# Altium PCB 基于STM32的DDS信号源.PcbDoc
Units mil, origin at the board's own origin, x right, y up, seen from the top; angles counter-clockwise.
Board outline 3937.01 x 2755.91 mil, 2 copper layers (Top Layer, Bottom Layer); 62 components, 55 nets, 263 pads, 39 vias.
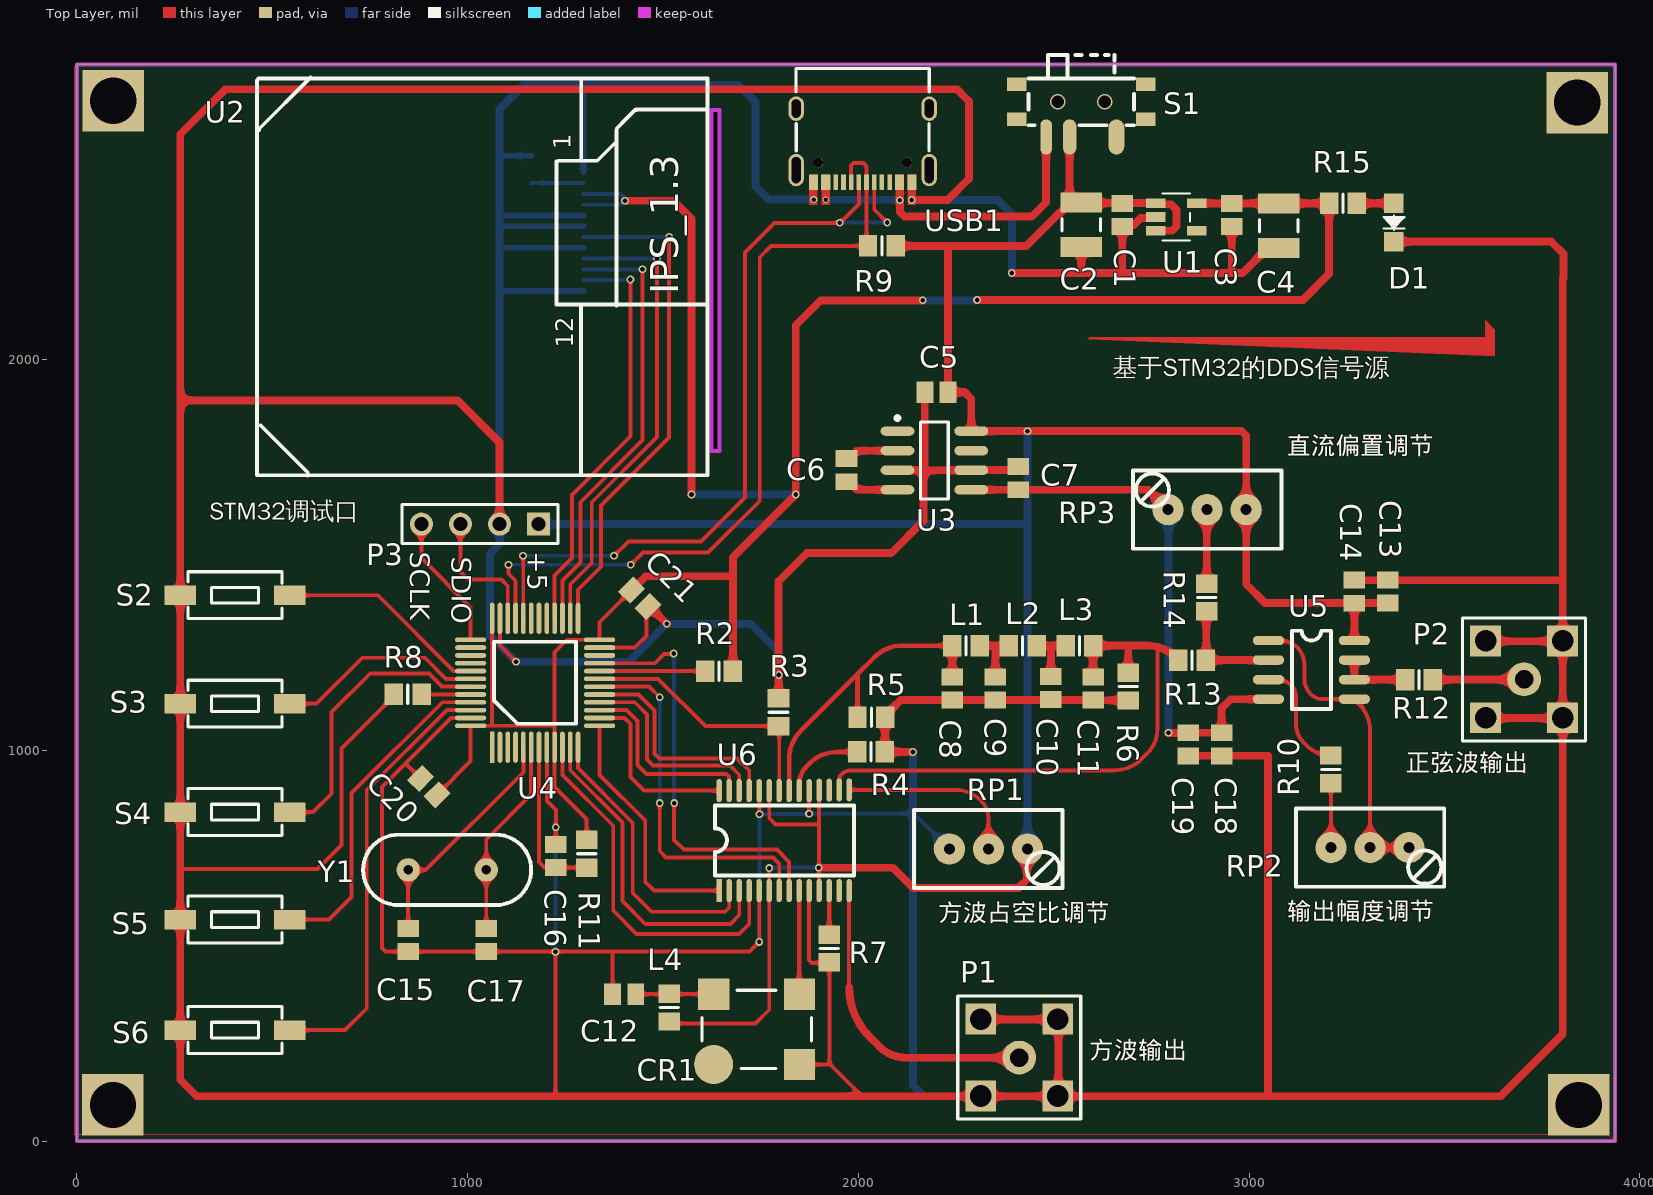
[diagram p0: Top Layer view]
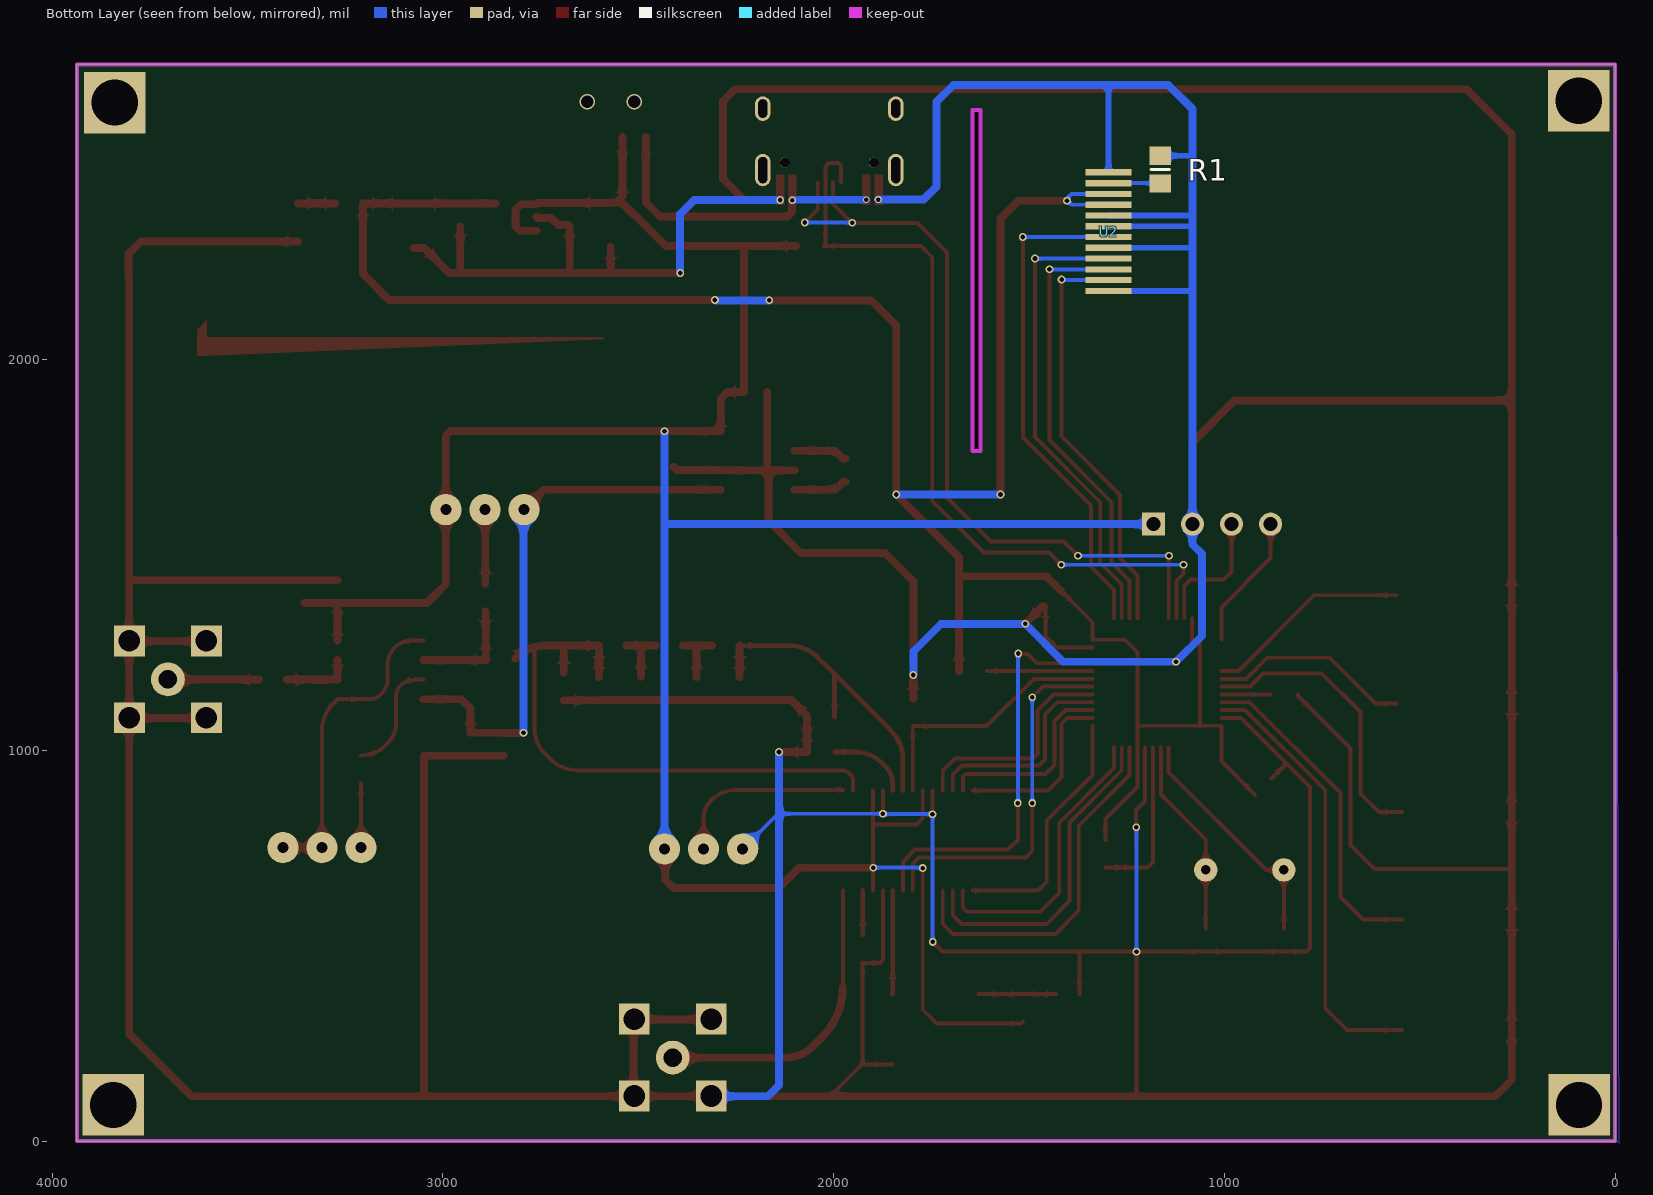
[diagram p1: Bottom Layer view, seen from below]

## Layer stack, top to bottom
Top Solder: solder mask 0.4, Solder Resist, Dk 3.5
Top Layer: signal copper 1.4
Dielectric 1: dielectric 12.6, FR-4, Dk 4.8
Bottom Layer: signal copper 1.4
Bottom Solder: solder mask 0.4, Solder Resist, Dk 3.5

## Board outline
0,0 0,2755.9 3937.01,2755.9 3937.01,0
cut-out: 1625,1766.2 1625,2638.9 1644.77,2638.9 1644.77,1766.2

## Design rules (kind name [scope] priority, off if disabled: settings)
Clearance [(IsRegion) vs OnLayer('Keep-Out Layer')] p1: gap=8 ignorepadtopadclearanceinfootprint=TRUE except(0: Arc-Hole Track-Hole SMDPad-Hole THPad-Hole Via-Hole Fill-Hole Poly-Hole Region-Hole Text-Hole)
Clearance Clearance-pl [(IsRegion)] p2: gap=20 ignorepadtopadclearanceinfootprint=FALSE
Clearance Clearance-all [All] p3: gap=8 ignorepadtopadclearanceinfootprint=FALSE except(0: Arc-Hole Track-Hole SMDPad-Hole THPad-Hole Via-Hole Fill-Hole Poly-Hole Region-Hole Text-Hole; 5: Arc-Arc Arc-Track Arc-SMDPad Track-Track Track-SMDPad SMDPad-SMDPad)
HoleSize Testpoint [(IsPad And (OnTopLayer Or OnBottomLayer))] p2: absolutevalues=TRUE maxlimit=100 minlimit=1 maxpercent=80.000 minpercent=20.000
HoleSize TestPointUsage [All] p3: absolutevalues=TRUE maxlimit=100 minlimit=1 maxpercent=80.000 minpercent=20.000
MinimumSolderMaskSliver SilkscreenOverComponentPads [All] p2: minsoldermaskwidth=10
PolygonConnect [All vs HasFootprint('铝合金腔体35-35')] p1: connectstyle=Direct reliefconductorwidth=10 reliefentries=4 polygonreliefangle="90 Angle" airgapwidth=498
PolygonConnect PolygonConnect_via [IsVia] p2: connectstyle=Direct reliefconductorwidth=10 reliefentries=4 polygonreliefangle="90 Angle" airgapwidth=10
PolygonConnect PolygonConnect_1 [All] p3: connectstyle=Relief reliefconductorwidth=10 reliefentries=4 polygonreliefangle="90 Angle" airgapwidth=10
RoutingVias [All] p1: holewidth=11.81 width=19.68 viastyle="Through Hole" minholewidth=11.81 minwidth=19.68 maxholewidth=11.81 maxwidth=19.68
SolderMaskExpansion [All] p1: expansion=4
Width [All] p1: maxlimit=1000 minlimit=5 preferedwidth=10 toplayer_maxwidth=100 minimp=50.000000 maximp=50.000000 favimp=50.000000
30 further rules are at their usual default settings.

## Components (designator, comment, footprint, x,y, rotation, side; value= is the part's Value field where it differs from the comment)
C1 "Cap" C0805 2675.77,2370.67 r90 top value=104
C2 "Cap Pol1" C1210_N 2570.77,2345.2 r270 top value=22UF
C3 "Cap" C0805 2955.77,2370.67 r90 top value=104
C4 "Cap Pol1" C1210_N 3075.77,2343.11 r270 top value=22UF
C5 "Cap" C0805 2199.77,1917.2 r0 top value=106
C6 "Cap" C0805 1969.77,1717.2 r270 top value=106
C7 "Cap" C0805 2409.77,1696.72 r270 top value=106
C8 "Cap" C0805 2240.77,1158.2 r90 top value=33pF
C9 "Cap" C0805 2350.77,1158.67 r90 top value=22pF
C10 "Cap" C0805 2493,1159.38 r90 top value=22pF
C11 "Cap" C0805 2600.77,1158.2 r90 top value=22pF
C12 "Cap" C0805 1400.77,376.2 r0 top value=104
C13 "Cap" C0805 3354.77,1406.67 r270 top value=106
C14 "Cap" C0805 3269.77,1406.2 r270 top value=104
C15 "Cap" C0805 847.77,514.67 r270 top value=20pF
C16 "Cap" C0805 1225.77,730.2 r270 top value=104
C17 "Cap" C0805 1047.77,514.67 r270 top value=20pF
C18 "Cap" C0805 2929.77,1015.72 r90 top value=104
C19 "Cap" C0805 2844.77,1015.72 r90 top value=106
C20 "Cap" C0805 900.77,907.2 r135 top value=104
C21 "Cap" C0805 1440.77,1389.2 r315 top value=104
CR1 "30MHZ" CRYSTAL-SMT-5X7 1629.77,196.2 r0 top
D1 "LED2" D0805+ 3370.77,2400.2 r270 top
L1 "Inductor" 6-0805_N 2275.77,1268.2 r0 top value=470nH
L2 "Inductor" 6-0805_N 2420.77,1268.2 r0 top value=390nH
L3 "Inductor" 6-0805_N 2566.2,1268.2 r0 top value=390nH
L4 "Inductor" 6-0805_N 1515.77,341.63 r270 top value=磁?
P1 "SMA" SMA-KE 2412,213.9 r0 top (schematic designator P2)
P2 "SMA" SMA-KE 3704,1181.9 r0 top (schematic designator P1)
P3 "Header 4" HDR1X4 1181.77,1579.2 r180 top
R1 "Res2" 6-0805_N 1164,2486.47 r270 bottom value=10
R2 "Res2" 6-0805_N 1643.77,1203.2 r180 top value=10K
R3 "Res2" 6-0805_N 1795.77,1097.63 r90 top value=10k
R4 "Res2" 6-0805_N 2032.21,996.2 r180 top value=25
R5 "Res2" 6-0805_N 2033.34,1085.2 r180 top value=200
R6 "Res2" 6-0805_N 2690.77,1163.2 r90 top value=200
R7 "Res2" 6-0805_N 1925.77,492.76 r90 top value=3.9K
R8 "Res2" 6-0805_N 846.77,1143.2 r180 top value=10K
R9 "Res2" 6-0805_N 2060.2,2291.2 r0 top value=10K
R10 "Res2" 6-0805_N 3209.77,951.63 r270 top value=49.9
R11 "Res2" 6-0805_N 1304.77,735.63 r90 top value=10K
R12 "Res2" 6-0805_N 3435.2,1181.2 r0 top value=49.9
R13 "Res2" 6-0805_N 2854.34,1231.2 r0 top value=49.9
R14 "Res2" 6-0805_N 2891.77,1391.63 r270 top value=49.9
R15 "Res2" 6-0805_N 3240.34,2400.2 r180 top value=10K
RP1 "POT2" VR7 2333,747.9 r0 top value=10k
RP2 "POT2" VR7 3309.77,751.2 r0 top value=1k
RP3 "POT2" VR7 2892.77,1616.2 r180 top value=10k
S1 "SW SPDT" SW-SPDT-7P 2480.77,2570.2 r0 top
S2 "KEY" SW-MINI 284.77,1397.2 r0 top
S3 "KEY" SW-MINI 284.77,1119.7 r0 top
S4 "KEY" SW-MINI 284.77,842.2 r0 top
S5 "KEY" SW-MINI 284.77,567.2 r0 top
S6 "KEY" SW-MINI 284.77,284.2 r0 top
U1 "XC6219B332" SOT23-5L 2760.77,2365.2 r270 top
U2 "1.3寸TFT液晶" 1.3-TFT-TPS 1296.47,2479.72 r0 top
U3 "ICL7660" SO8_N 2194.77,1742.2 r0 top
U4 "STM32F103C8" TQFP-48 1062.77,1008.2 r90 top
U5 "OPA2690" SO-8 3049.77,1281.2 r0 top
U6 "AD9851" TSSOP28 1644,641.29 r90 top
USB1 "TYPE-C" TYPE-C 1840.97,2642.78 r0 top
Y1 "XTAL" XTAL2 947.77,694.2 r180 top

## Footprints (in the part's own frame and the unit in brackets; to place one, negate y for a bottom-side part, rotate by r counter-clockwise, add the part's x,y. Pads: shape width x height; smd on the part's side, far side on the other; paste and mask are expansions set on the pad)
1.3-TFT-TPS [mm]
  rect 3x0.4 smd far side: 1(0,0) 2(0.008,-0.709) 3(0.008,-1.409) 4(0.008,-2.109) 5(0.008,-2.809) 6(0.008,-3.509) 7(0.008,-4.209) 8(0.008,-4.909) 9(0.008,-5.609) 10(0.008,-6.309) 11(0.008,-7.009) 12(0.008,-7.709)
  Keep-Out Layer lines w0.254: 8.339,-18.123 8.339,4.051 8.847,4.051 8.847,-18.123 8.339,-18.123
  silkscreen extent -21.22,-19.72 8.06,6.16
6-0805_N [mm] "Chip Resistor, Body 2.0x1.2mm, IPC Medium Density"
  rect 1.2x1.4 smd: 1(-0.9,0) 2(0.9,0)
  silkscreen extent 0,-0.6 0,0.6, body extent -1.07,-0.7 1.07,0.7, height 0.7
C0805 [mm] "Chip Capacitor, Body 2.0x1.3mm, IPC High Density"
  rect 1.1x1.4 smd: 1(-0.75,0) 2(0.75,0)
  body extent -1.1,-0.72 1.1,0.72, height 1.4
C1210_N [mm] "Chip Capacitor, Body 3.2x2.5mm, IPC Medium Density"
  rect 1.3x2.7 smd: 1(-1.45,0) 2(1.45,0)
  silkscreen extent -0.4,-1.25 0.4,1.25, body extent -1.7,-1.35 1.7,1.35, height 1.5
CRYSTAL-SMT-5X7 [mil]
  round 100 smd: 1(0,0)
  rect 80x80 smd: 4(220,0) 5(220,180) 8(0,180)
  silkscreen extent -30,-10 250,190
D0805+ [mil]
  rect 50x50 smd: A(0,0) K(98,0)
  silkscreen extent 31,-27 68,27
HDR1X4 [mm] "Connector; Header; 4 Position"
  rect 1.5x1.5 hole 0.9: 1(0,0)
  round 1.5 hole 0.9: 2(2.54,0) 3(5.08,0) 4(7.62,0)
  silkscreen extent -1.27,-1.27 8.89,1.27
SMA-KE [mm]
  round 2.2 hole 1.2: 1(0,0)
  rect 2x2 hole 1.4: 2(2.5,2.5) 3(2.5,-2.5) 4(-2.5,-2.5) 5(-2.5,2.5)
  silkscreen extent -4,-4 4,4
SO8_N [mm] "SOIC, 8-Leads, Body 4.9x3.9mm, Pitch 1.27mm, IPC Medium Density"
  oval 2.2x0.6 smd: 1(-2.4,1.905) 2(-2.4,0.635) 3(-2.4,-0.635) 4(-2.4,-1.905) 5(2.4,-1.905) 6(2.4,-0.635) 7(2.4,0.635) 8(2.4,1.905)
  silkscreen extent -2.52,-2.5 0.9,2.88, body extent -2,-2.5 2,2.5, height 1.75
SO-8 [mil]
  oval 80x24 smd: 1(0,0) 2(0,-50) 3(0,-100) 4(0,-150) 5(220,-150) 6(220,-100) 7(220,-50) 8(220,0)
  silkscreen extent 60,-175 160,25
SOT23-5L [mil]
  rect 25x50 smd: 1(-35,0) 2(0,0) 3(35,0) 4(35,105) 5(-35,105)
  silkscreen extent -60,18 60,88
SW-MINI [mil]
  rect 80x50 smd: 1(-20,0) 2(260,0)
  silkscreen extent 0,-60 240,60
SW-SPDT-7P [mil]
  oval 30x90 smd: 1(0,0)
  oval 35x90 smd: 2(60,0)
  oval 40x90 smd: 3(180,0)
  rect 50x35 smd: 4(255,45) 5(255,135) 6(-75,135) 7(-75,45)
  silkscreen extent -45,30 225,210
TQFP-48 [mil]
  rect 80x12 smd: 1(0,0)
  oval 80x12 smd: 2(0,-20) 3(0,-40) 4(0,-60) 5(0,-80) 6(0,-100) 7(0,-120) 8(0,-140) 9(0,-160) 10(0,-180) 11(0,-200) 12(0,-220) 25(330,-220) 26(330,-200) 27(330,-180) 28(330,-160) 29(330,-140) 30(330,-120) 31(330,-100) 32(330,-80) 33(330,-60) 34(330,-40) 35(330,-20) 36(330,0)
  oval 12x80 smd: 13(55,-275) 14(75,-275) 15(95,-275) 16(115,-275) 17(135,-275) 18(155,-275) 19(175,-275) 20(195,-275) 21(215,-275) 22(235,-275) 23(255,-275) 24(275,-275) 37(275,55) 38(255,55) 39(235,55) 40(215,55) 41(195,55) 42(175,55) 43(155,55) 44(135,55) 45(115,55) 46(95,55) 47(75,55) 48(55,55)
  silkscreen extent 60,-215 270,-5
TSSOP28 [mm]
  rect 1.5x0.35 smd: 1(0,0)
  oval 1.5x0.35 smd: 2(0,-0.65) 3(0,-1.3) 4(0,-1.95) 5(0,-2.6) 6(0,-3.25) 7(0,-3.9) 8(0,-4.55) 9(0,-5.2) 10(0,-5.85) 11(0,-6.5) 12(0,-7.15) 13(0,-7.8) 14(0,-8.45) 15(6.55,-8.45) 16(6.55,-7.8) 17(6.525,-7.15) 18(6.525,-6.5) 19(6.5,-5.85) 20(6.5,-5.2) 21(6.5,-4.55) 22(6.5,-3.9) 23(6.5,-3.25) 24(6.5,-2.6) 25(6.5,-1.95) 26(6.5,-1.3) 27(6.5,-0.65) 28(6.5,0)
  silkscreen extent 0.98,-8.76 5.53,0.28
TYPE-C [mm]
  round 0.65 hole 0.65: 0(1.435,-3.5) 0(7.215,-3.5)
  oval 1x1.6 hole 0.6 slot 1.2 at 90 deg: 1(0,0) 2(8.65,0)
  oval 1x2.1 hole 0.6 slot 1.7 at 90 deg: 3(8.65,-4) 4(0,-4)
  rect 0.3x1 smd: A1(7.675,-4.79) A4(6.875,-4.79) A5(5.575,-4.79) A6(4.575,-4.79) A7(4.075,-4.79) A8(3.075,-4.79) A9(1.775,-4.79) A12(0.975,-4.79) B1(1.275,-4.79) B4(2.075,-4.79) B5(2.575,-4.79) B6(3.575,-4.79) B7(5.075,-4.79) B8(6.075,-4.79) B9(6.575,-4.79) B12(7.375,-4.79)
  silkscreen extent 0,-2.74 8.65,2.6
VR7 [mil]
  round 80 hole 28: 1(-100,0) 2(100,0) 3(0,0)
  silkscreen extent -190,-100 190,100
XTAL2 [mil]
  round 60 hole 24: 1(-100,0) 2(100,0)
  silkscreen extent -215,-90 215,90

## Part data
C1 C3 C5 C6 C7 C8 C9 C10 C11 C12 C13 C14 C15 C16 C17 C18 C19 C20 C21: "Capacitor", LatestRevisionDate=17-Jul-2002, LatestRevisionNote="Re-released for DXP Platform.", PackageDescription="Radial Cap, Thru-Hole; 2 Leads; 0.3 in Pin Spacing", PackageReference=RAD-0.3, Published=8-Jun-2000, Publisher="Altium Limited"
C2 C4: "Polarized Capacitor (Radial)", LatestRevisionDate=17-Jul-2002, LatestRevisionNote="Re-released for DXP Platform.", PackageDescription="Polarized Capacitor (Radial); 2 Leads", PackageReference=RB7.6-15, Published=8-Jun-2000, Publisher="Altium Limited"
D1: "Typical RED, GREEN, YELLOW, AMBER GaAs LED", LatestRevisionDate=17-Jul-2002, LatestRevisionNote="Re-released for DXP Platform.", PackageDescription="SM LED; 2 Flat Leads", PackageReference=3.2X1.6X1.1, PackageVersion=Feb-2002, Published=8-Jun-2000, Publisher="Altium Limited"
P3: "Header, 4-Pin", LatestRevisionDate=17-Jul-2002, LatestRevisionNote="Re-released for DXP Platform.", Publisher="Altium Limited"
R1 R2 R3 R4 R5 R6 R7 R8 R9 R10 R11 R12 R13 R14 R15: "Resistor", LatestRevisionDate=17-Jul-2002, LatestRevisionNote="Re-released for DXP Platform.", PackageDescription="Axial Device, Thru-Hole; 2 Leads; 0.4 in Pin Spacing", PackageReference=AXIAL-0.4, Published=8-Jun-2000, Publisher="Altium Limited"
RP1 RP2 RP3: "Potentiometer"
S2 S3 S4 S5 S6: library part SW-PB, "Switch", LatestRevisionDate=17-Jul-2002, LatestRevisionNote="Re-released for DXP Platform.", PackageDescription="Switch; 2 Leads", PackageReference=SPST-2, Published=24-Mar-1999, Publisher="Altium Limited"
U1: library part XC6219
U4: "Flaah:64/RAM:20/IO:36", BOM名称=32, 学习资源=ww
Y1: "Crystal Oscillator", LatestRevisionDate=17-Jul-2002, LatestRevisionNote="Re-released for DXP Platform.", PackageDescription="Crystal, Thru-Hole; 2 Leads; Body 3.1 x 8.2 mm (Dia.xH)", PackageReference=R38, Published=8-Jun-2000, Publisher="Altium Limited"
L1 L2 L3 L4: Code_IEC=1005, Code_JEITA=0402, LatestRevisionDate=29-May-2009, LatestRevisionNote="IPC-7351 Footprint Added.", PackageDescription="Chip Inductor", PackageReference=0402-A, Published=8-Jun-2000, Publisher="Altium Limited"

## Free pads (board coordinates)
  rect 157.48x157.48 hole 118.11: 1(92,92.9) 2(3844,92.9) 3(3840,2657.9) 4(93,2662.9)

## Via types
v1: diameter 19.68, hole 11.81, Top Layer to Bottom Layer, 35 vias
v2: diameter 39.37, hole 31.5, Top Layer to Bottom Layer, 2 vias
v3: diameter 16, hole 11.81, Top Layer to Bottom Layer, 1 vias
v4: diameter 18/18 (per signal layer), hole 11.81, Top Layer to Bottom Layer, 1 vias

## Nets (pads, with @x,y where several pads share a name; then routed paths per layer and width w, separated by ;. In a path a pad name is that pad's centre, name@x,y a point inside that pad or via, vN(x,y) a via of type N, cw(c..) or ccw(c..) an arc to the next point about the centre after c; other vN are vias at no path point)
+5: C1.2 C2.1 C5.2 C13.2 C14.2 L4.2 P3.1 R9.2 RP1.2 RP3.1 S1.2 U1.1 U1.3 U3.8 U5.8 U6.6 U6.11 U6.18 U6.23 | length 7327.8
  Top Layer w10: L4.2 1520.77,301.2 1736.77,301.2 1771.95,336.38 U6.6 v1(1772,698.9) v1(1772,698.9) ; U6.23 1771.95,826.95 1788,810.9 1898.45,810.9 1899.45,811.9 ; U6.11 1899.45,641.74 1899.45,699.45 v1(1899,699.9) 1899.45,700.36 1899.45,811.9 ; U6.18 1899.45,897.73 1899.45,811.9
  Top Layer w20: v1(1899,699.9) 2089,699.9 2141,647.9 2410,647.9 2431,668.9 2431,745.9 RP1.2 ; R9.2 2224.77,2291.2 ; S1.2 2540.77,2417.87 2549.79,2408.86 C2.1@2556.36,2402.28 ; U1.3 2803.06,2330.2 2814.77,2341.91 2814.77,2383.2 2800.27,2397.7 2763.27,2397.7 U1.1 2759.73,2401.24 2675.77,2401.24 2571.81,2401.24 C2.1 C2.1@2556.36,2402.28 ; U5.8 3269.77,1376 C14.2@3270.91,1377.14 ; C13.2 C14.2@3270.91,1377.14 ; 2224.77,2291.2 2429.77,2291.2 2512.77,2374.2 2515.13,2374.2 2543.21,2402.28 C2.1@2556.36,2402.28 ; 2224.77,2291.2 2229.3,2286.67 C5.2 2271.77,1917.2 2289.26,1899.71 U3.8 2981.06,1817.2 2992.77,1805.48 2992.77,1425.13 3040.76,1377.14 C14.2@3270.91,1377.14
  Bottom Layer w10: v1(1772,698.9) 1773,699.9 v1(1899,699.9)
  Bottom Layer w20: P3.1 2432.71,1579.2 2433,1578.9 ; RP1.2 2433,1578.9 ; v1(2433,1816.9) 2433,1578.9
+5VIN: S1.1 USB1.A4 USB1.A9 USB1.B4 USB1.B9 | length 792.9
  Top Layer w10: USB1.A9 USB1.B4
  Top Layer w20: v1(2105.77,2408.2) 2106.77,2407.2 2106.77,2378.2 2118.77,2366.2 2443.77,2366.2 2480.77,2403.2 S1.1
  Bottom Layer w20: v3(1916.77,2409.2) 2104.77,2409.2 v1(2105.77,2408.2)
-5: C7.2 C18.2 C19.2 RP3.2 U3.5 U5.4 | length 1424.5
  Top Layer w20: U3.5 C7.2 2741.77,1667.2 RP3.2 ; v1(2794,1044.9) 2844.42,1044.9 C19.2 C18.2 2929.77,1107.68 2953.29,1131.2 U5.4
  Bottom Layer w20: RP3.2 2794,1614.97 v1(2794,1044.9)
AD9851-D0: U4.10 U6.4 | length 940.6
  Top Layer w10: U4.10 1242.77,937.2 1372.77,807.2 1372.77,590.2 1432.77,530.2 1694.77,530.2 1720.77,556.2 U6.4
AD9851-D1: U4.11 U6.3 | length 843.9
  Top Layer w10: U4.11 1262.77,949.2 1396.77,815.2 1396.77,614.2 1454.77,556.2 1672.77,556.2 1695.18,578.61 U6.3
AD9851-D2: U4.12 U6.2 | length 745.4
  Top Layer w10: U4.12 1282.77,954.65 1422.77,814.65 1422.77,635.2 1470.77,587.2 1658.77,587.2 1669.59,598.02 U6.2
AD9851-D3: U4.13 U6.1 | length 646.8
  Top Layer w10: U4.13 1337.77,937.2 1454.77,820.2 1454.77,663.2 1476.68,641.29 U6.1
AD9851-D4: U4.14 U6.28 | length 462.9
  Top Layer w10: U4.14 1401.77,1083.2 1416.77,1068.2 1416.77,932.2 1451.77,897.2 U6.28
AD9851-D5: U4.15 U6.27 | length 503.4
  Top Layer w10: U4.15 1407.23,1103.2 1434.77,1075.65 1434.77,963.2 1458.24,939.72 1661.91,939.72 1668.87,932.77 1668.87,897.92 U6.27
AD9851-D6: U4.16 U6.26 | length 542.2
  Top Layer w10: U4.16 1427.77,1123.2 1458.77,1092.2 1458.77,977.2 1474.77,961.2 1671.77,961.2 1695.18,937.79 U6.26
AD9851-D7: U4.17 U6.25 | length 579.8
  Top Layer w10: U4.17 1437.77,1143.2 1478.77,1102.2 1478.77,991.2 1490.77,979.2 1689.77,979.2 1720.77,948.2 U6.25
D/C: U2.7 U4.25 | length 1291.6
  Top Layer w10: U4.25 1282.77,1411.2 1341.77,1470.2 1341.77,1627.2 1515.77,1801.2 v1(1515.77,2314.2)
  Bottom Layer w10: U2.7 1296.87,2314.09 1515.67,2314.09 v1(1515.77,2314.2)
D\D\S\R\S\T\: R3.1 U4.19 U6.22 | length 673.9
  Top Layer w10: U4.19 1487.77,1183.2 1608.77,1062.2 R3.1 1797.54,1060.42 U6.22
DDSFQUP: U4.21 U6.8 | length 1069
  Top Layer w10: U4.21 1480,1223.2 1503.15,1246.34 1525.92,1246.34 v1(1527.77,1248.2) ; v1(1528.77,865.2) 1528.77,771.2 1553.77,746.2 1791.77,746.2 1823.13,714.83 U6.8
  Bottom Layer w10: v1(1527.77,1248.2) 1527.77,866.2 v1(1528.77,865.2)
DDSWCLK: U4.18 U6.7 | length 947.2
  Top Layer w10: U4.18 1464.77,1163.2 v1(1491.77,1136.2) ; v1(1491.77,865.2) 1491.77,742.13 1508,725.9 1782,725.9 1797.54,710.36 U6.7
  Bottom Layer w10: v1(1491.77,865.2) v1(1491.77,1136.2)
FOUT: C11.2 L3.2 R6.2 R13.1 U6.16 | length 1498.7
  Top Layer w10: U6.16 1951.09,924.63 cw(c1971.28,924.63) 1957,938.9 cw(c1981.14,914.76) 1981.14,948.9 2654.58,948.9 ccw(c2654.58,1048.9) 2725.29,978.19 2740,992.9 ccw(c2677.73,1055.18) 2765.79,1055.18 2765.79,1264.94 ; 2689.77,1268.2 cw(c2687.36,1265.78) 2690.77,1265.78 ; R13.1@2815.05,1235.05 R13.1
  Top Layer w20: C11.2 2600.77,1266.11 cw(c2603.73,1266.11) L3.2 2689.77,1268.2 2740.48,1268.2 cw(c2740.48,1168.2) 2765.79,1264.94 cw(c2740.48,1168.2) 2811.2,1238.91 R13.1@2815.05,1235.05 ; R6.2 2690.77,1265.78
GND: C1.1 C2.2 C3.1 C4.2 C5.1 C7.1 C8.1 C9.1 C10.1 C11.1 C12.1 C13.1 C14.1 C15.2 C16.1 C17.2 C18.1 C19.1 C20.2 C21.2 CR1.4 D1.K P1.2 P1.3 P1.4 P1.5 P2.2 P2.3 P2.4 P2.5 P3.2 R1.1 R3.2 R4.1 R5.1 R6.1 R7.1 R8.2 RP1.1 S2.1 S3.1 S4.1 S5.1 S6.1 U1.2 U2.1 U2.5 U2.6 U2.8 U2.12 U3.3 U3.6 U4.8 U4.23 U4.35 U4.47 U6.5 U6.10 U6.19 U6.24 USB1.A1 USB1.A12 USB1.B1 USB1.B12 | length 29555.2
  Top Layer w10: 265,696.9 616,696.9 677,757.9 677,1004.92 811.34,1139.26 R8.2 ; C20.2 842.24,965.73 842.24,967.66 ; U4.47 957.77,1083.2 842.24,967.66 ; U4.35 1082.77,1268.13 v1(1124,1226.9) ; U4.8 1202.77,870.2 1225.77,847.2 v1(1225.77,803.46) C16.1 ; 1225,114.77 v1(1225,484.9) ; U4.23 1427.77,1263.2 1457.48,1292.9 1457.48,1364.14 C21.2 ; C12.1 1371.24,484.38 1372,485.14 ; U6.5 v1(1746.36,509.9) 1721.6,485.14 1372,485.14 ; U6.24 1746.68,896.88 1746.68,837.22 v1(1747,836.9) ; CR1.4 1923.84,196.2 1925.77,198.13 ; v1(1874,837.9) 1874.32,838.22 U6.19 ; U6.10 1874.32,463.65 1881.77,456.2 1924.64,456.2 R7.1 1925.77,198.13 ; USB1.A12 USB1.B1 ; 2009.13,114.77 1925.77,198.13 ; 842.24,967.66 781,906.42 781,493.9 789.76,485.14 C15.2 C17.2 1372,485.14
  Top Layer w20: P3.2 1081.77,1788.13 974,1895.9 264.77,1895.9 ; C21.2 1465.59,1368.32 v1(1510,1323.9) ; R3.2 1796,1133.29 v1(1796,1192.9) 1796,1432.9 1868,1504.9 2084,1504.9 2166.77,1587.68 2166.77,1717.2 ; v4@1884,2408.9 1885,2409.9 v4(1886,2409.9) ; U3.3 2166.77,1717.2 ; v1(2137,2408.9) 2229,2408.9 2283,2462.9 2283,2661.9 2252.63,2692.28 380.37,2692.28 264.77,2576.68 264.77,1895.9 ; v1(2140,995.9) 2139.71,996.2 R4.1 2068.2,996.76 2068.2,1084.63 R5.1 2068.77,1089.13 2108.31,1128.67 C8.1 C11.1 2601.22,1128.22 2690.32,1128.22 R6.1 ; C5.1 2170.24,1720.67 2166.77,1717.2 ; P1.5@2315.35,311.62 2512.2,311.62 P1.3@2512.2,114.77 ; v1(2393,2221.9) 2573,2221.9 ; C7.1 2401.41,1717.89 2289.95,1717.89 U3.6 2166.77,1717.2 ; C2.2 2570.77,2224.13 2573,2221.9 ; U1.2 2758.27,2362.7 2722.79,2362.7 2705,2344.9 2679.54,2344.9 C1.1 2675.77,2224.18 2673.5,2221.9 ; C19.1 C18.1 3048.91,986.2 3048.91,116.68 3047,114.77 ; C3.1 2955.77,2223.68 2954,2221.9 ; C4.2 3048.21,2286.02 2984.1,2221.9 2954,2221.9 ; C14.1 3800.02,1435.72 3803.2,1438.9 ; D1.K 3773.71,2302.2 3805,2270.9 3805,2209.71 3803.2,2207.9 3803.2,1438.9 ; P2.4@3606.35,1082.77 P2.3@3803.2,1082.77 ; P2.5@3606.35,1279.62 P2.2@3803.2,1279.62 ; 264.77,1895.9 S2.1 S3.1 S4.1 S5.1 S6.1 264.77,157.13 307.13,114.77 1225,114.77 2009.13,114.77 2315.35,114.77 P1.3@2512.2,114.77 ; P1.3@2512.2,114.77 3047,114.77 ; 2573,2221.9 2673.5,2221.9 ; 2673.5,2221.9 2954,2221.9 ; 3047,114.77 3643.87,114.77 3803.2,274.1 P2.3@3803.2,1082.77 ; P2.3@3803.2,1082.77 P2.2@3803.2,1279.62 ; P2.2@3803.2,1279.62 3803.2,1438.9
  Bottom Layer w10: 1081.77,2515.9 1087.77,2521.9 ; v1(1225,484.9) 1225,802.69 v1(1225.77,803.46) ; v1(1746.36,509.9) 1746.68,510.22 1746.68,836.59 v1(1747,836.9) 1873,836.9 v1(1874,837.9) 2140,837.9 2143,837.9 RP1.1
  Bottom Layer w15: 1081.77,2174.9 1083.06,2176.2 U2.12 ; 1081.77,2287.9 1083.24,2286.43 U2.8 ; 1081.77,2338.9 1084.42,2341.55 U2.6 ; 1081.77,2369.9 1082.57,2369.11 U2.5 ; 1087.77,2521.9 R1.1 ; U2.1 1296.47,2691.38
  Bottom Layer w20: 1296.47,2691.38 1308,2702.9 ; v1(1796,1192.9) 1796,1252.9 1725,1323.9 v1(1510,1323.9) 1413,1226.9 v1(1124,1226.9) 1057,1293.9 1057,1502.9 1082,1527.9 1082,1578.97 P3.2 1081.77,2174.9 1081.77,2287.9 1081.77,2338.9 1081.77,2369.9 1081.77,2515.9 1081.77,2641.68 1143,2702.9 1308,2702.9 ; v4(1886,2409.9) 1770,2409.9 1737,2442.9 1737,2659.9 1694,2702.9 1308,2702.9 ; v1(2137,2408.9) 2357,2408.9 2393,2372.9 v1(2393,2221.9) ; v1(2140,995.9) 2140,837.9 2140,142.9 2168.13,114.77 P1.4@2315.35,114.77
IOUTA: C8.2 L1.1 R5.2 U6.21 | length 824.8
  Top Layer w12: U6.21 1823.13,979.14 cw(c1923.13,979.14) 1852.42,1049.85 1997.27,1194.7 ; R5.2 1997.91,1193.17 ccw(c1995.74,1193.17) 1997.27,1194.7 ; L1.1 2112.19,1268.2 ccw(c2112.19,1168.2) 2041.48,1238.91 1997.27,1194.7
  Top Layer w20: L1.1 cw(c2239.3,1267.15) 2240.77,1267.15 C8.2
IOUTB: R4.2 U6.20 | length 207.3
  Top Layer w12: U6.20 1848.72,914.62 cw(c1910.34,914.62) 1866.77,958.2 1875.48,966.91 cw(c1946.19,896.2) 1946.19,996.2 R4.2
KEY1: S2.2 U4.41 | length 529.4
  Top Layer w10: S2.2@558.77,1397.2 770.77,1397.2 964.39,1203.58 1007.39,1203.58 U4.41
KEY2: S3.2 U4.42 | length 520
  Top Layer w10: S3.2@558.77,1119.7 613.27,1119.7 730.77,1237.2 890.77,1237.2 944.77,1183.2 U4.42
KEY3: S4.2 U4.43 | length 746.6
  Top Layer w10: S4.2 604.77,842.2 651.77,889.2 651.77,1098.2 750.77,1197.2 900.77,1197.2 934.77,1163.2 U4.43
KEY4: S5.2 U4.45 | length 849.1
  Top Layer w10: S5.2 645.29,567.2 703,624.9 703,890.9 935.29,1123.2 U4.45
KEY5: S6.2 U4.46 | length 1129.4
  Top Layer w10: S6.2 686.29,284.2 742,339.9 742,898.42 946.77,1103.2 U4.46
NetC6_1: C6.1 U3.2 | length 139
  Top Layer w20: C6.1 1975.68,1746.72 1996.15,1767.2 U3.2
NetC6_2: C6.2 U3.4 | length 139
  Top Layer w20: C6.2 1975.68,1687.67 1996.15,1667.2 U3.4
NetC9_2: C9.2 L1.2 L2.1 | length 154.8
  Top Layer w20: L1.2 2348.27,1268.2 ; C9.2 2350.77,1262.16 ccw(c2342.24,1262.16) 2348.27,1268.2 ; L2.1 2348.27,1268.2
NetC10_2: C10.2 L2.2 L3.1 | length 154
  Top Layer w20: L2.2 2493.49,1268.2 ; C10.2 2493,1267.02 cw(c2494.67,1267.02) 2493.49,1268.2 ; L3.1 2493.49,1268.2
NetC12_2: C12.2 CR1.8 L4.1 | length 199.5
  Top Layer w10: C12.2 CR1.8
NetD1_A: D1.A R15.1 | length 95
  Top Layer w20: R15.1 D1.A
NetP2_1: P1.1 U6.14 | length 791
  Top Layer w10: 1976.68,393.66 U6.14
  Top Layer w20: 1976.68,393.66 ccw(c2156.37,393.66) 2029.31,266.6 2053.42,242.49 ccw(c2124.13,313.2) 2124.13,213.2 P1.1@2413.77,213.2
NetP3_1: P2.1 R12.2 | length 234.1
  Top Layer w20: R12.2 P2.1@3704.77,1181.2
NetR1_2: R1.2 U2.2 | length 133.1
  Bottom Layer w10: R1.2 1164.75,2451.79 U2.2
NetR2_2: R2.2 U4.20 | length 270.6
  Top Layer w10: U4.20 R2.2
NetR7_2: R7.2 U6.12 | length 113.2
  Top Layer w12: U6.12 1925.5,528.47 R7.2
NetR8_1: R8.1 U4.44 | length 125.6
  Top Layer w10: R8.1 U4.44
NetR10_1: R10.1 U5.3 | length 297
  Top Layer w10: U5.3 3071.14,1181.2 cw(c3071.14,1126.57) 3109.77,1165.2 cw(c3085.63,1141.05) 3119.77,1141.05 3119.77,1070.15 ccw(c3192.25,1070.15) 3141,1018.9 3146.73,1013.18 ccw(c3209.77,1076.22) R10.1
NetR10_2: R10.2 RP2.1 | length 165
  Top Layer w10: RP2.1 R10.2
NetR12_1: R12.1 U5.6 U5.7 | length 180
  Top Layer w10: U5.6 3269.77,1194.9
  Top Layer w20: U5.6 R12.1 ; 3269.77,1194.9 U5.7
NetR13_2: R13.2 R14.2 U5.2 | length 285.8
  Top Layer w20: R14.2 2890.77,1355.2 2890.77,1232.2 R13.2 U5.2
NetR14_1: R14.1 RP3.3 | length 189.4
  Top Layer w20: R14.1 2891.77,1613.78 cw(c2895.19,1613.78) RP3.3
NetRP1_3: RP1.3 U6.15 | length 473.7
  Top Layer w10: U6.15 2248.18,899.17 cw(c2248.18,806.09) 2314,871.9 cw(c2268.13,826.03) 2333,826.03 RP1.3
NetRP2_2: RP2.2 RP2.3 U5.1 U5.5 | length 814.6
  Top Layer w10: U5.1 3080.32,1281.2 cw(c3080.32,1219.74) 3123.77,1263.2 cw(c3080.32,1219.74) 3141.77,1219.74 3141.77,1182.82 ccw(c3196.4,1182.82) 3157.77,1144.2 ccw(c3189.16,1175.58) 3189.16,1131.2 U5.5 3280.48,1120.49 cw(c3209.77,1049.77) 3309.77,1049.77 RP2.3 RP2.2
NRST: C16.2 R11.1 U4.7 | length 421.8
  Top Layer w10: U4.7 1182.77,714.2 1196.77,700.2 R11.1
OSC-IN: C15.1 U4.5 Y1.2 | length 612.6
  Top Layer w10: C15.1 Y1.2 892.77,694.2 1142.77,944.2 U4.5
OSC-OUT: C17.1 U4.6 Y1.1 | length 511.6
  Top Layer w10: C17.1 Y1.1 1047.77,772.2 1162.77,887.2 U4.6
R\E\S\: U2.11 U4.28 | length 1068
  Top Layer w10: U4.28 1222.77,1448.2 1266.77,1492.2 1266.77,1654.2 1416.77,1804.2 v1(1416.77,2205.2)
  Bottom Layer w10: U2.11 1415.33,2203.76 v1(1416.77,2205.2)
SCL: U2.9 U4.26 | length 1201.1
  Top Layer w10: U4.26 1262.77,1425.16 1317.77,1480.16 1317.77,1635.2 1484.77,1802.2 v1(1484.77,2259.2)
  Bottom Layer w10: U2.9 1484.45,2258.87 v1(1484.77,2259.2)
SCLK: P3.4 U4.37 | length 348.2
  Top Layer w10: P3.4 881.77,1492.2 1007.77,1366.2 U4.37
SDA: U2.10 U4.27 | length 1129
  Top Layer w10: U4.27 1242.77,1435.2 1288.77,1481.2 1288.77,1635.2 1447.77,1794.2 v1(1447.77,2231.2)
  Bottom Layer w10: U2.10 1447.65,2231.31 v1(1447.77,2231.2)
SDIO: P3.3 U4.34 | length 340.9
  Top Layer w10: P3.3 981.77,1457.2 1001.77,1437.2 1086.77,1437.2 1102.77,1421.2 U4.34
SYSCLK: CR1.5 U6.9 | length 265.4
  Top Layer w12: U6.9 1848.72,378.73 ccw(c1852.3,378.73) CR1.5
USB-D-N: U4.32 USB1.A7 USB1.B7 | length 2053.8
  Top Layer w10: v1(1141.77,1498.2) 1142.39,1497.58 1142.39,1338.58 U4.32 ; v1(1374.77,1498.2) 1411.77,1535.2 1597.77,1535.2 1709.77,1647.2 1709.77,2274.2 1785.77,2350.2 v1(1952.77,2350.2) 2001.4,2398.83 USB1.A7 ; USB1.B7 2040.77,2384.2 v1(2073.77,2351.2)
  Bottom Layer w10: v1(1141.77,1498.2) v1(1374.77,1498.2) ; v1(1952.77,2350.2) 1953.77,2351.2 v1(2073.77,2351.2)
USB-D-P: R9.1 U4.33 USB1.A6 USB1.B6 | length 2061.5
  Top Layer w10: v1(1104.77,1475.2) 1104.77,1452.2 1122.77,1434.2 U4.33 ; v1(1417.77,1475.2) 1448.77,1506.2 1615.77,1506.2 1747.77,1638.2 1747.77,2262.2 1776.77,2291.2 R9.1 2021.09,2294.88 USB1.A6 2021.09,2494.88 2012.77,2503.2 1987.77,2503.2 1981.72,2497.14 USB1.B6
  Bottom Layer w10: v1(1104.77,1475.2) v1(1417.77,1475.2)
VCC: C3.2 C4.1 C20.1 C21.1 R2.1 R11.2 R15.2 U1.5 U2.3 U2.4 U4.9 U4.24 U4.36 U4.48 | length 6062.3
  Top Layer w10: C20.1 1007.77,972.44 U4.48 1062.77,1063.2 ; U4.36 1062.77,1063.2 ; R11.2 1304.77,824.2 1222.77,906.2 U4.9 1222.77,1061.2 ; C21.1 1337.77,1327.95 U4.24 1254.77,1283.2 1222.77,1251.2 1222.77,1061.2 ; 1062.77,1063.2 1220.77,1063.2 1222.77,1061.2
  Top Layer w20: v1(1403,2406.9) 1527,2406.9 1573,2360.9 v1(1573,1654.9) ; C21.1 1455.72,1445.9 1675.2,1445.9 1679.2,1449.9 ; R2.1 1679.2,1449.9 ; v1(2165,2151.9) 1904,2151.9 1840,2087.9 v1(1840,1654.9) 1679.2,1494.11 1679.2,1449.9 ; v1(2304,2152.9) 3138,2152.9 3204.91,2219.81 R15.2 C4.1 C3.2 U1.5
  Bottom Layer w10: U2.4 1390.14,2396.67 1400.38,2406.9 v1(1403,2406.9) 1403,2412.9 1391.68,2424.23 U2.3
  Bottom Layer w20: v1(1573,1654.9) v1(1840,1654.9) ; v1(2165,2151.9) 2303,2151.9 v1(2304,2152.9)
pads on no net: CR1.1 S1.3 S1.4 S1.5 S1.6 S1.7 U1.4 U3.1 U3.7 U4.1 U4.2 U4.3 U4.4 U4.22 U4.29 U4.30 U4.31 U4.38 U4.39 U4.40 U6.13 U6.17 USB1.0 USB1.1 USB1.2 USB1.3 USB1.4 USB1.A5 USB1.A8 USB1.B5 USB1.B8
copper on no net:
  other v2: 2510.77,2660.2 2630.77,2660.2

## Polygon pours and split planes (outlines as drawn)
GND on Top Layer "GND_L01_P004" (solid, pour order 4): 0,2755.9 -7,2748.9 -7,17 3920.01,17 3937.01,0 3937.01,2755.9
no net on Top Layer "Top Layer-No Net" (solid, pour order 0): 2126,2473.9
GND on Bottom Layer "GND_L02_P006" (solid, pour order 6): 0,2755.9 3937.01,2755.9 3937.01,0 -6,0 -10,-4

## Keep-outs
Keep-Out Layer:
  the board outline again, w10

## Other copper
Top Layer:
  rectangle net GND: 1874,2395.9 1896,2473.9
  rectangle net GND: 2126,2395.9 2148,2473.9
  rectangle net +5VIN: 2094.77,2395.2 2116.77,2474.2
  rectangle net +5VIN: 1906,2396.2 1928,2474.2
  region: 2587,2053 2592,2058 3604,2058 3604,2102 3629,2077 3629,2009

## Silkscreen, mask and mechanical layers (free items; w line width, h text height)
Top Overlay:
  text "基于STM32的DDS信号源" at 2651,1941.9 h80
  text "直流偏置调节" at 3097,1743 h78.74
  text "STM32调试口" at 339,1575 h78.74
  text "+5" at 1154,1509.9 h50 r270
  text "SCLK" at 853,1508.9 h50 r270
  text "SDIO" at 959,1495.9 h50 r270
  text "正弦波输出" at 3401,931 h78.74
  text "输出幅度调节" at 3098,551.9 h78.74
  text "方波占空比调节" at 2205,547 h78.74
  text "方波输出" at 2591,194.9 h78.74
Mechanical 1:
  lines w10: 1624.77,1766.2 1644.77,1766.2 1644.77,2638.9 1625,2638.9 1625,1766.2 ; 0,0 3937.01,0 3937.01,2755.9 0,2755.9 0,0

## Text inside footprints (layer, text, board x,y; h text height)
U2: Top Overlay "12" at 1270.77,2030.2 h45 r90; Top Overlay "1" at 1263.77,2539.2 h45 r90; Top Overlay "IPS_1.3" at 1539.77,2167.2 h71.81 r90